# Altium PCB PCB1.PcbDoc (part 1 of 4) (continued)
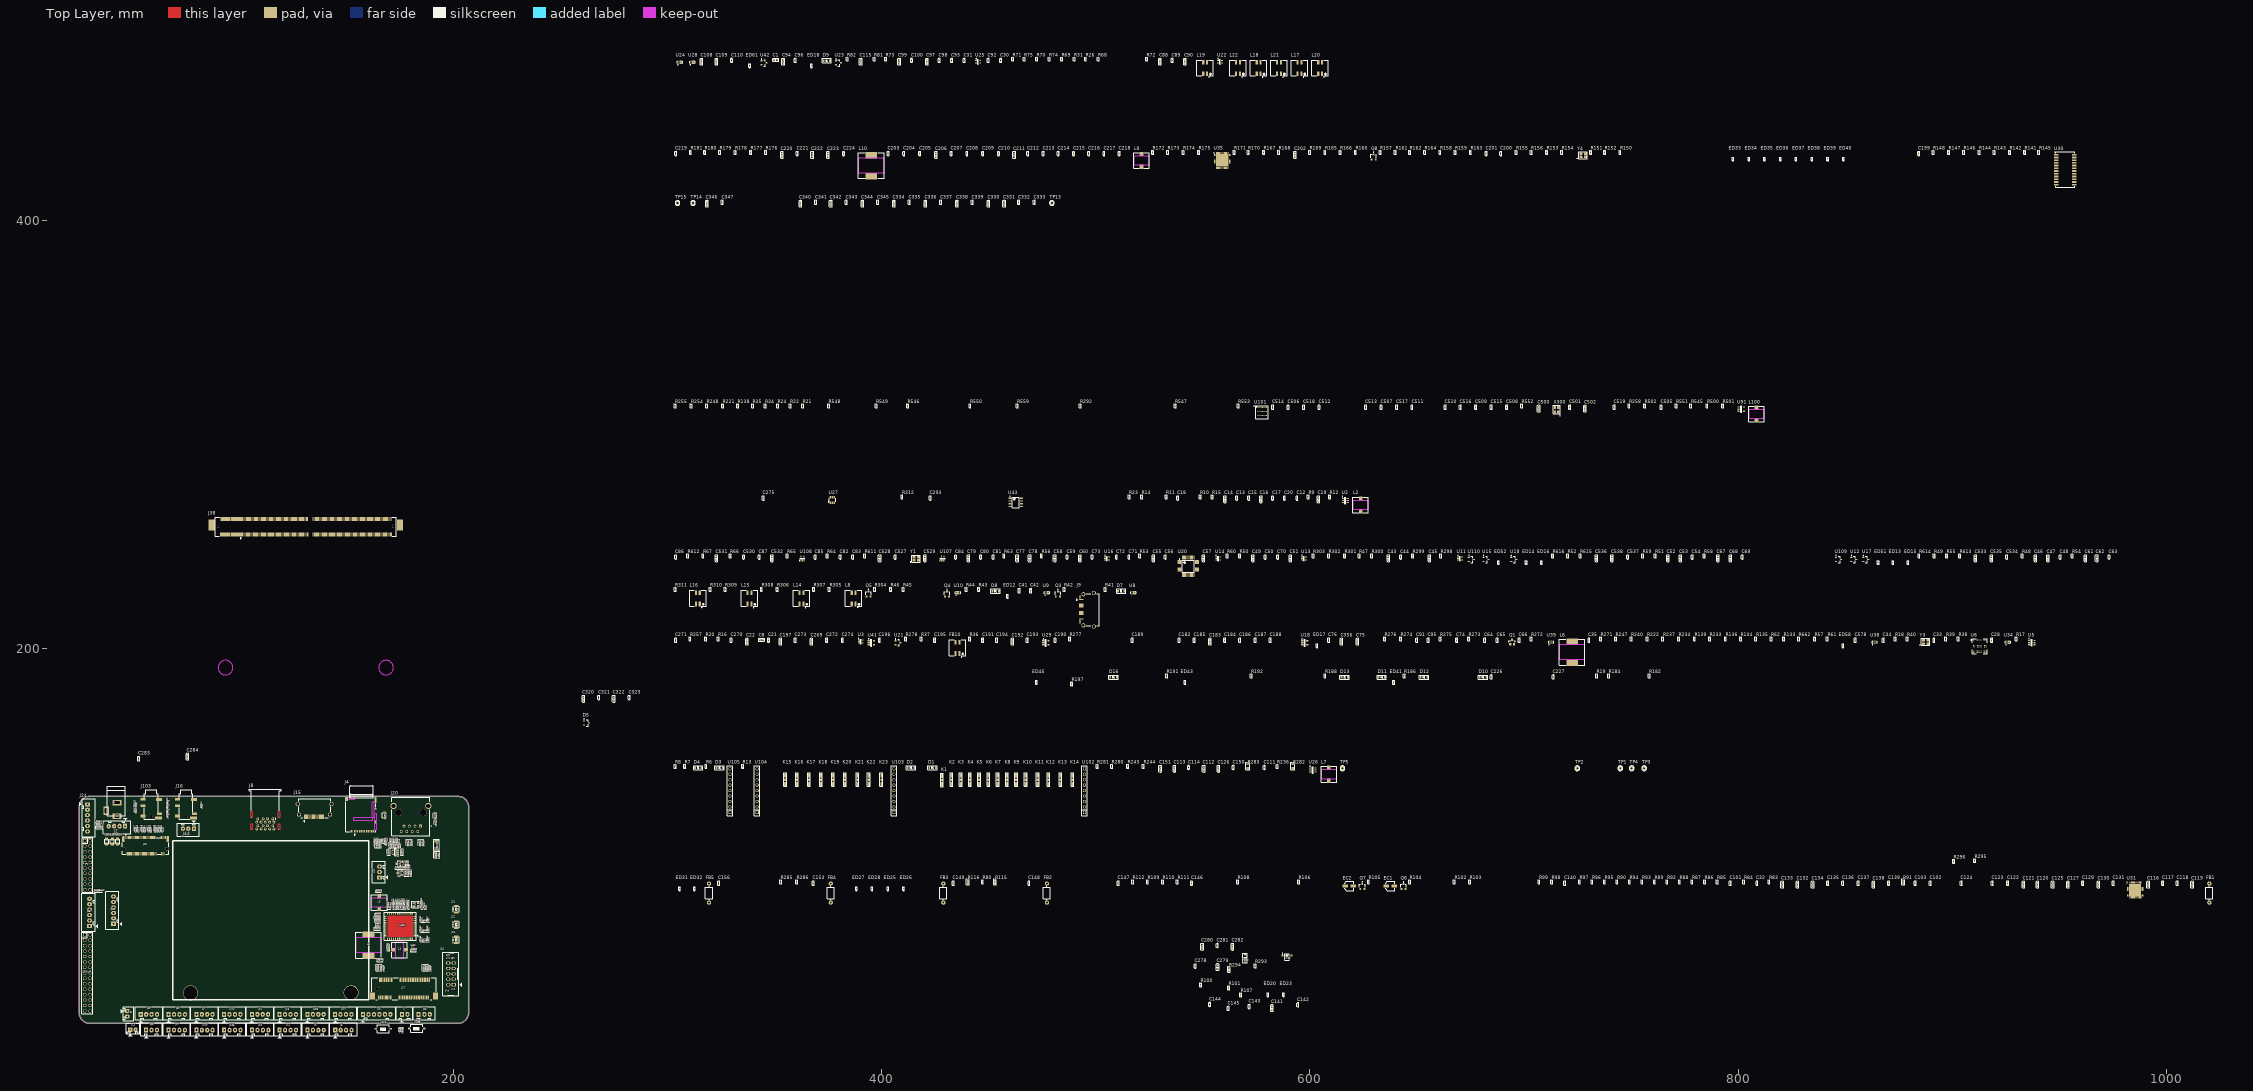
[diagram p0: Top Layer view]
## Components (designator, comment, footprint, x,y, rotation, side; value= is the part's Value field where it differs from the comment) (continued)
C252 "C0402" "C 0402" 55.6,115.5 r90 top
C253 "C0402" "C 0402" 54.5,115.5 r90 top
C254 "C0603" "C 0603" 186,50.9 r90 top
C255 "C0402" "C 0402" 188.8,50.9 r90 top
C256 "C0402" "C 0402" 52.6,115.475 r90 top
C257 "C0402" "C 0402" 51.5,115.5 r90 top
C258 "C0603" "C 0603" 64.9,93.8 r0 bottom
C259 "C0402" "C 0402" 63.3,99.3 r90 bottom
C260 "C0603" "C 0603" 81.4,99.3 r90 bottom
C261 "C0402" "C 0402" 80.1,99.3 r90 bottom
C262 "C0402" "C 0402" 61.1,99.3 r90 bottom
C263 "C0402" "C 0402" 62.2,99.3 r90 bottom
C264 "C0603" "C 0603" 149.7,110.9 r90 bottom
C265 "C0402" "C 0402" 151,110.9 r90 bottom
C266 "C0402" "C 0402" 155.4,110.9 r90 bottom
C267 "C0402" "C 0402" 157.5,110.9 r90 bottom
C268 "C0402" "C 0402" 153.2,110.9 r90 bottom
C269 "C0603" "C 0603" 367.157,203.327 r90 top
C270 "C0402" "C 0402" 329.565,203.962 r90 top
C271 "C0402" "C 0402" 303.784,203.962 r90 top
C272 "C0402" "C 0402" 374.269,203.962 r90 top
C273 "C0402" "C 0402" 359.537,203.962 r90 top
C274 "C0402" "C 0402" 381.635,203.962 r90 top
C275 "C0402" "C 0402" 344.678,270.383 r90 top
C276 "C0603" "C 0603" 192.8,103.7 r270 top
C277 "C0603" "C 0603" 191.3,103.725 r270 top
C278 "C0402" "C 0402" 546.4,51.7 r90 top
C279 "C0603" "C 0603" 556.9,51.3 r90 top
C280 "C0603" "C 0603" 549.681,60.727 r90 top
C281 "C0402" "C 0402" 556.793,61.362 r90 top
C282 "C0603" "C 0603" 563.905,60.727 r90 top
C283 "C0402" "C 0402" 52.9,148.6 r90 top
C284 "C0603" "C 0603" 75.7,149.6 r90 top
C285 "C0402" "C 0402" 155.8,87.5 r90 bottom
C286 "C0603" "C 0603" 164.3,75.9 r180 top
C287 "C0402" "C 0402" 145.1,80 r180 bottom
C288 "C0603" "C 0603" 145.1,81.3 r180 bottom
C289 "C0603" "C 0603" 165.5,54.5 r180 top
C290 "C0603" "C 0603" 189.6,38.2 r270 bottom
C291 "C0603" "C 0603" 187.5,50.9 r90 top
C292 "C0603" "C 0603" 164.2,50.9 r90 top
C293 "C0402" "C 0402" 422.656,270.383 r90 top
C311 "C0402" "C 0402" 142,80 r0 bottom
C312 "C0402" "C 0402" 99.5,81.3 r90 bottom
C313 "C0603" "C 0603" 101.5,84.8 r90 bottom
C315 "C0603" "C 0603" 99.8,84.8 r90 bottom
C316 "C0402" "C 0402" 100.7,81.3 r90 bottom
C318 "C0603" "C 0603" 103.2,84.8 r90 bottom
C319 "C0402" "C 0402" 103.5,81.3 r90 bottom
C320 "C0603" "C 0603" 260.576,176.54 r90 top
C321 "C0402" "C 0402" 267.815,177.175 r90 top
C322 "C0603" "C 0603" 274.8,176.54 r90 top
C323 "C0402" "C 0402" 282.039,177.175 r90 top
C324 "C0603" "C 0603" 48.5,75.3 r90 bottom
C325 "C0402" "C 0402" 54.3,75.3 r90 bottom
C326 "C0603" "C 0603" 47,75.3 r90 bottom
C327 "C0402" "C 0402" 45.7,75.3 r90 bottom
C328 "C0603" "C 0603" 34.325,116.5 r180 top
C329 "C0402" "C 0402" 33.925,117.8 r180 top
C330 "C0603" "C 0603" 449.834,407.924 r90 top
C331 "C0603" "C 0603" 457.2,407.924 r90 top
C332 "C0402" "C 0402" 463.931,408.559 r90 top
C333 "C0402" "C 0402" 471.297,408.559 r90 top
C334 "C0603" "C 0603" 405.638,407.924 r90 top
C335 "C0402" "C 0402" 412.877,408.559 r90 top
C336 "C0603" "C 0603" 420.37,407.924 r90 top
C337 "C0402" "C 0402" 427.609,408.559 r90 top
C338 "C0603" "C 0603" 435.102,407.924 r90 top
C339 "C0402" "C 0402" 442.341,408.559 r90 top
C340 "C0603" "C 0603" 361.95,407.924 r90 top
C341 "C0402" "C 0402" 369.189,408.559 r90 top
C342 "C0603" "C 0603" 376.174,407.924 r90 top
C343 "C0402" "C 0402" 383.413,408.559 r90 top
C344 "C0603" "C 0603" 390.906,407.924 r90 top
C345 "C0402" "C 0402" 398.145,408.559 r90 top
C346 "C0603" "C 0603" 318.262,407.924 r90 top
C347 "C0402" "C 0402" 325.501,408.559 r90 top
C350 "C0603" "C 0603" 128.4,86.9 r90 bottom
C351 "C0402" "C 0402" 128.6,89.6 r90 bottom
C352 "C0603" "C 0603" 129.9,86.9 r270 bottom
C353 "C0402" "C 0402" 129.8,89.6 r90 bottom
C354 "C0603" "C 0603" 49.3,99.867 r180 bottom
C355 "C0603" "C 0603" 53,75.3 r270 bottom
C356 "C0603" "C 0603" 614.807,203.327 r90 top
C357 "C0402" "C 0402" 131.3,38.3 r270 bottom
C358 "C0603" "C 0603" 146.4,45.9 r0 bottom
C359 "C0603" "C 0603" 146.4,44.3 r0 bottom
C360 "C0402" "C 0402" 134.9,40.4 r270 bottom
C361 "C0402" "C 0402" 132.5,40.4 r270 bottom
C362 "C0402" "C 0402" 146.475,47.3 r0 bottom
C363 "C0402" "C 0402" 133.9,47.9 r0 bottom
C364 "C0603" "C 0603" 130.9,47.5 r0 bottom
C500 "C0603" "C 0603" 706.882,312.166 r90 top
C501 "C0402" "C 0402" 721.36,312.801 r90 top
C502 "C0603" "C 0603" 728.472,312.166 r90 top
C503 "C0402" "C 0402" 35.1,37.825 r90 bottom
C504 "C0402" "C 0402" 34,37.8 r90 bottom
C505 "C0402" "C 0402" 764.032,312.801 r90 top
C506 "C0402" "C 0402" 589.788,312.801 r90 top
C507 "C0402" "C 0402" 633.222,312.801 r90 top
C508 "C0402" "C 0402" 691.896,312.801 r90 top
C509 "C0402" "C 0402" 677.418,312.801 r90 top
C510 "C0402" "C 0402" 663.194,312.801 r90 top
C511 "C0402" "C 0402" 647.7,312.801 r90 top
C512 "C0402" "C 0402" 604.266,312.801 r90 top
C513 "C0402" "C 0402" 626.11,312.801 r90 top
C514 "C0402" "C 0402" 582.676,312.801 r90 top
C515 "C0402" "C 0402" 684.784,312.801 r90 top
C516 "C0402" "C 0402" 670.306,312.801 r90 top
C517 "C0402" "C 0402" 640.588,312.801 r90 top
C518 "C0402" "C 0402" 597.154,312.801 r90 top
C519 "C0402" "C 0402" 742.188,312.801 r90 top
C527 "C0402" "C 0402" 406.273,242.824 r90 top
C528 "C0603" "C 0603" 399.034,242.189 r90 top
C529 "C0603" "C 0603" 420.116,242.189 r90 top
C530 "C0402" "C 0402" 335.407,242.824 r90 top
C531 "C0603" "C 0603" 322.834,242.189 r90 top
C532 "C0603" "C 0603" 348.742,242.189 r90 top
C533 "C0603" "C 0603" 910.971,242.189 r90 top
C534 "C0402" "C 0402" 925.576,242.824 r90 top
C535 "C0603" "C 0603" 918.337,242.189 r90 top
C536 "C0603" "C 0603" 733.806,242.189 r90 top
C537 "C0402" "C 0402" 748.411,242.824 r90 top
C538 "C0603" "C 0603" 741.172,242.189 r90 top
C572 "C0402" "C 0402" 153.975,47.3 r0 bottom
C573 "C0603" "C 0603" 161.9,54.4 r180 bottom
C574 "C0402" "C 0402" 161.9,55.8 r180 bottom
C577 "C0402" "C 0402" 158.2,52.8 r180 bottom
C578 "C0402" "C 0402" 854.71,203.962 r90 top
C580 "C0402" "C 0402" 148.675,59.2 r0 bottom
C581 "C0402" "C 0402" 154.1,52.8 r0 bottom
C585 "C0402" "C 0402" 148.675,56.1 r0 bottom
C586 "C0402" "C 0402" 148.675,60.3 r0 bottom
CON40 "15pX2pX2.0mm" JP15-D2T 28.87,48.58 r270 top
D1 "Diode SMD" DIO-SMD-123 423.672,144.399 r0 top
D2 "Diode SMD" DIO-SMD-123 413.639,144.399 r0 top
D3 "Diode SMD" DIO-SMD-123 324.231,144.399 r0 top
D4 "Diode SMD" DIO-SMD-123 314.198,144.399 r0 top
D5 "BAT54C" INF-SOT23_N 262.05,165.3 r0 top
D6 "BZT52C3V3" DIO-SMD-123 191.5,43.5 r0 bottom
D7 "Diode SMD" DIO-SMD-123 511.81,226.949 r0 top
D8 "Diode SMD" DIO-SMD-123 453.136,226.949 r0 top
D9 "Diode SMD" DIO-SMD-123 374.269,474.726 r0 top
D10 "Diode SMD" DIO-SMD-123 680.847,186.69 r0 top
D11 "Diode SMD" DIO-SMD-123 633.603,186.69 r0 top
D12 "Diode SMD" DIO-SMD-123 653.288,186.69 r0 top
D13 "Diode SMD" DIO-SMD-123 616.204,186.69 r0 top
D14 "Diode SMD" DIO-SMD-123 171.2,40.1 r180 bottom
D15 "Diode SMD" DIO-SMD-123 153.2,89.7 r0 bottom
D16 "Diode SMD" DIO-SMD-123 508.254,186.69 r0 top
D20 "Diode SMD" DIO-SMD-123 191.5,46.2 r0 bottom
D22 "Diode SMD" DIO-SMD-123 569.7,55.5 r270 top
EC1 "CN-ALU-SMD" CAP-ALU-SMD-4.5x5x1.4 637.54,89.154 r0 top
EC2 "CN-ALU-SMD" CAP-ALU-SMD-4.5x5x1.4 618.363,89.154 r0 top
ED1 "ESD9N12BA" DFN1006-2L 49.5,104 r0 bottom
ED2 "NC/ESD5451N" DFN1006-2L 34.5,35.3 r180 bottom
ED3 "ESD9X5VU" DFN1006-2L 174.1,109.9 r270 top
ED4 "ESD9X5VU" DFN1006-2L 172.983,109.9 r270 top
ED5 "ESD9X5VU" DFN1006-2L 171.867,109.9 r270 top
ED6 "ESD9X5VU" DFN1006-2L 170.75,109.9 r270 top
ED7 "ESD9X5VU" DFN1006-2L 165.833,109.9 r270 top
ED8 "ESD9X5VU" DFN1006-2L 164.717,109.9 r270 top
ED9 "ESD9X5VU" DFN1006-2L 163.6,109.9 r270 top
ED10 "NC/ESD5451R" DFN1006-2L 163.4,36.825 r90 bottom
ED11 "NC/ESD5451R" DFN1006-2L 162.3,36.825 r90 bottom
ED12 "ESD5451N" DFN1006-2L 458.724,224.663 r90 top
ED13 "NC/ESD5451N" DFN1006-2L 872.363,240.411 r90 top
ED14 "NC/ESD5451N" DFN1006-2L 701.04,240.411 r90 top
ED15 "NC/ESD5451N" DFN1006-2L 879.475,240.411 r90 top
ED16 "NC/ESD5451N" DFN1006-2L 708.152,240.411 r90 top
ED17 "ESD5451N" DFN1006-2L 603.377,201.549 r90 top
ED18 "NC/ESD5451N" DFN1006-2L 367.157,472.44 r90 top
ED19 "ESD5451N" DFN1006-2L 66.6,121.875 r270 top
ED20 "NC/ESD5451N" DFN1006-2L 580.366,38.511 r90 top
ED21 "ESD5451N" DFN1006-2L 66.6,126.025 r270 top
ED22 "ESD5451N" DFN1006-2L 66.6,128.1 r270 top
ED23 "NC/ESD5451N" DFN1006-2L 587.732,38.511 r90 top
ED24 "ESD5451N" DFN1006-2L 82.4,126.5 r90 top
ED25 "NC/ESD5451N" DFN1006-2L 402.844,88.011 r90 top
ED26 "NC/ESD5451N" DFN1006-2L 410.21,88.011 r90 top
ED27 "NC/ESD5451N" DFN1006-2L 388.112,88.011 r90 top
ED28 "NC/ESD5451N" DFN1006-2L 395.478,88.011 r90 top
ED29 "ESD5451N" DFN1006-2L 66.6,123.95 r270 top
ED30 "ESD5451N" DFN1006-2L 51.5,126.975 r270 top
ED31 "NC/ESD5451N" DFN1006-2L 305.562,88.011 r90 top
ED32 "NC/ESD5451N" DFN1006-2L 312.42,88.011 r90 top
ED33 "ESD9X5VU" DFN1006-2L 797.687,428.879 r90 top
ED34 "ESD9X5VU" DFN1006-2L 805.053,428.879 r90 top
ED35 "ESD9X5VU" DFN1006-2L 812.419,428.879 r90 top
ED36 "ESD9X5VU" DFN1006-2L 819.785,428.879 r90 top
ED37 "ESD9X5VU" DFN1006-2L 827.151,428.879 r90 top
ED38 "ESD9X5VU" DFN1006-2L 834.517,428.879 r90 top
ED39 "ESD9X5VU" DFN1006-2L 841.883,428.879 r90 top
ED40 "ESD9X5VU" DFN1006-2L 849.249,428.879 r90 top
ED41 "NC/ESD9N12BA" DFN1006-2L 639.191,184.404 r90 top
ED42 "ESD5451N" DFN1006-2L 174.8,22.1 r270 top
ED43 "NC/ESD9N12BA" DFN1006-2L 541.655,184.404 r90 top
ED44 "ESD5451N" DFN1006-2L 175.9,22.1 r270 top
ED45 "ESD5451N" DFN1006-2L 472.186,184.404 r90 top
ED46 "ESD5451N" DFN1006-2L 191.7,38.325 r90 bottom
ED47 "ESD5451N" DFN1006-2L 190.8,38.325 r90 bottom
ED48 "ESD5451N" DFN1006-2L 154.3,110.9 r270 bottom
ED49 "ESD5451N" DFN1006-2L 156.4,110.9 r270 bottom
ED50 "ESD5451N" DFN1006-2L 152.1,110.9 r270 bottom
ED51 "NC/ESD5451N" DFN1006-2L 865.505,240.411 r90 top
ED52 "NC/ESD5451N" DFN1006-2L 688.086,240.411 r90 top
ED53 "NC/ESD5451R" DFN1006-2L 142.4,38.425 r90 bottom
ED54 "NC/ESD5451R" DFN1006-2L 143.4,38.425 r90 bottom
ED55 "NC/ESD5451R" DFN1006-2L 145.4,38.425 r90 bottom
ED56 "NC/ESD5451R" DFN1006-2L 160.1,36.825 r90 bottom
ED57 "NC/ESD5451R" DFN1006-2L 161.2,36.825 r90 bottom
ED58 "ESD5451N" DFN1006-2L 848.995,201.549 r90 top
ED59 "NC/ESD5451R" DFN1006-2L 144.4,38.425 r90 bottom
ED60 "NC/ESD5451R" DFN1006-2L 141.4,38.425 r90 bottom
ED61 "ESD5451N" DFN1006-2L 338.328,472.44 r90 top
ED62 "ESD5451N" DFN1006-2L 51.5,124.4 r90 top
F1 "mSMD300" MSMD300/3A 54,100 r90 bottom
FB1 "R0603" L/0.4 1020.191,81.407 r90 top
FB2 "L0603" L/0.4 477.139,81.407 r90 top
FB3 "L0603" L/0.4 428.752,81.407 r90 top
FB4 "L0603" L/0.4 376.174,81.407 r90 top
FB5 "L0603" L/0.4 319.278,81.407 r90 top
FB10 "RP2_0405" L-SMD-D-7.3x7.3 435.356,200.406 r0 top
J1 "Jac DC" DC-IN 40.16,124.925 r270 top
J2 "CON4" CON4 46.48,117.1 r180 top
J3 "CON-2PIN-1D25" Header2 47.5,30.74 r270 top
J4 "TF-CKT01-009D" *HRS_DM3AT-SF-PEJM5_DM3AT-SF-PEJM5(Primary) 157,114.7 r180 top
J5 "CON4" CON4 144.68,21.8 r0 top
J6 "CON4" CON4 131.68,21.8 r0 top
J7 "CON2_2D0" CON2 175.8,29.2 r0 top
J8 "USB3D0_AF_9P" *GCT_USB1100-XX-X_REVC 112,119 r180 top
J9 "HDMI_A" *AMPHENOL_10029449-001RLF_10029449-001RLF(Primary) 494.157,218.186 r90 top
J10 "CON4" CON4 105.78,21.8 r0 top
J11 "CON4" CON4 105.72,29.2 r0 top
J12 "CON4" CON4 118.72,21.8 r0 top
J13 "CON4" CON4 118.68,29.2 r0 top
J14 "CON2_2D0" Header2 48.9,22 r0 top
J15 "NC/HDMI_A_90" *AMPHENOL_10029449-001RLF_10029449-001RLF(Primary) 135,122.5 r180 top
J16 "PJ-342B" *SUNTECH_ST-PJ-312_ST-PJ-312(Primary) 75,126.6 r90 top
J17 "CON4" CON4 66.78,21.8 r0 top
J18 "CON6_20" Header6 157.68,29.2 r0 top
J19 "FPC_24PIN_0D5" FPC-24Pin 139.75,104.875 r180 bottom
J20 "RJ45S" RJ45 180,123.5 r180 top
J21 "818000071" CONN/IPX/SMD 201.2,78.3 r270 top
J22 "818000071" CONN/IPX/SMD 201.2,71.15 r270 top
J23 "818000071" CONN/IPX/SMD 201.2,64 r270 top
J24 "CON6_20" Header6 28.9,127.32 r270 top
J25 "CON-3PIN-1D25" CON3 165.4,93.16 r90 top
J26 "CON-3PIN-2D54" CON3 183.76,29.2 r0 top
J27 "MINI_PCIE_52P_5H" MINI_PCIE_52PIN 176.8,41.2 r0 top
J28 "M.2_NGFF_M_KEY" *CONN_1-2199230-5_1-2199230-5(Primary) 56.05,106.525 r0 top
J29 "78646-3001" *CONN_78646-3001_78646-3001(Primary) 157.3,123 r90 bottom
J32 "FPC_24PIN_0D5" FPC-24Pin 138.35,74.075 r180 bottom
J33 "NC/FPC-30PIN-0D5" FPC-30pin 108.5,74.8 r180 bottom
J34 "CON-2X5PIN-2D0" Hed2X5 200,43.02 r90 top
J38 "CORE_RK3399" *FOX_AS0B821-S78B-7H_AS0B821-S78B-7H(Primary) 132.9,257.15 r0 top
J41 "CON4" CON4 66.82,29.2 r0 top
J42 "CON4" CON4 53.82,29.2 r0 top
J43 "CON-3PIN-2D0" CON3 56.32,21.8 r0 top
J44 "CON4" Header3 78.54,115.9 r180 top
J45 "CON6_20" Header6 29.9,70.48 r90 top
J47 "CON4" CON4 79.78,29.2 r0 top
J101 "CON6_254" Header6 41.1,71.52 r90 top
J103 "PJ-342B" *SUNTECH_ST-PJ-312_ST-PJ-312(Primary) 58.7,126.6 r90 top
J104 "CON4" CON4 92.72,29.2 r0 top
J105 "CON4" CON4 92.78,21.8 r0 top
J107 "CON4" CON4 144.6,29.2 r0 top
J108 "CON4" CON4 131.66,29.2 r0 top
J109 "CON4" CON4 79.78,21.8 r0 top
JP1 "10PINX2-2.0mm" JP10-D2T 28.929,98.881 r270 top
K1 "NC/TEST" KTest 428.1,138.7 r90 top
K2 "NC/TEST" KTest 432.562,138.811 r90 top
K3 "NC/TEST" KTest 436.88,138.811 r90 top
K4 "NC/TEST" KTest 441.198,138.811 r90 top
K5 "NC/TEST" KTest 445.516,138.811 r90 top
K6 "NC/TEST" KTest 449.834,138.811 r90 top
K7 "NC/TEST" KTest 454.152,138.811 r90 top
K8 "NC/TEST" KTest 458.47,138.811 r90 top
K9 "NC/TEST" KTest 462.788,138.811 r90 top
K10 "NC/TEST" KTest 467.233,138.811 r90 top
K11 "NC/TEST" KTest 472.821,138.811 r90 top
K12 "NC/TEST" KTest 477.901,138.811 r90 top
K13 "NC/TEST" KTest 483.489,138.811 r90 top
K14 "NC/TEST" KTest 489.077,138.811 r90 top
K15 "NC/TEST" KTest 354.838,138.811 r90 top
K16 "NC/TEST" KTest 360.426,138.811 r90 top
K17 "NC/TEST" KTest 366.014,138.811 r90 top
K18 "NC/TEST" KTest 371.602,138.811 r90 top
K19 "NC/TEST" KTest 377.19,138.811 r90 top
K20 "NC/TEST" KTest 382.778,138.811 r90 top
K21 "NC/TEST" KTest 388.62,138.811 r90 top
K22 "NC/TEST" KTest 393.954,138.811 r90 top
K23 "NC/TEST" KTest 399.796,138.811 r90 top
KEY5 "ST_1112RA" SW1-SMD 167.1,22.4 r180 top
KEY6 "ST_1112RA" SW1-SMD 182.7,22.6 r0 top
L1 "MWSA0518-4R7MT/4A" L-SMD-M-7.3x4.5 51.3,82.5 r0 bottom
L2 "4.7uH/1A" L-SMD-M-7.3x4.5 623.697,267.208 r0 top
L3 "NC/2.2uH" L-SMD-M-7.3x4.5 174.7,59.3 r90 top
L4 "L0603" L-SMD-M-12x10 160.2,61.5 r0 top
L5 "4.7uH" L-SMD-M-7.3x4.5 165.2,81.4 r0 top
L6 "L0603" L-SMD-M-12x10 722.503,198.374 r0 top
L7 "MWSA0518-4R7MT/4A" L-SMD-M-7.3x4.5 608.838,141.351 r0 top
L8 "RP2_0405" L-SMD-D-7.3x7.3 386.842,223.52 r0 top
L9 "2.2uH/1A" L-SMD-M-7.3x4.5 521.335,428.117 r0 top
L10 "L0603" L-SMD-M-12x10 395.097,425.704 r0 top
L11 "4.7uH/3A" L-SMD-M-7.3x4.5 181.2,46.8 r180 bottom
L12 "4.7uH/3A" L-SMD-M-7.3x4.5 65.6,88.7 r270 bottom
L13 "4.7uH/3A" L-SMD-M-7.3x4.5 139.8,46.5 r270 bottom
L14 "RP2_0405" L-SMD-D-7.3x7.3 362.458,223.52 r0 top
L15 "RP2_0405" L-SMD-D-7.3x7.3 338.201,223.52 r0 top
L16 "RP2_0405" L-SMD-D-7.3x7.3 314.071,223.52 r0 top
L17 "RP2_0405" L-SMD-D-7.3x7.3 595.122,471.297 r0 top
L18 "RP2_0405" L-SMD-D-7.3x7.3 576.072,471.297 r0 top
L19 "RP2_0405" L-SMD-D-7.3x7.3 551.053,471.297 r0 top
L20 "RP2_0405" L-SMD-D-7.3x7.3 604.774,471.297 r0 top
L21 "RP2_0405" L-SMD-D-7.3x7.3 585.597,471.297 r0 top
L22 "RP2_0405" L-SMD-D-7.3x7.3 566.42,471.297 r0 top
L100 "2.2uH-1.5A" L-SMD-M-7.3x4.5 808.609,309.626 r0 top
LED1 "LED SMD" SM-LED-0805-Blue 40.5,108.814 r90 top
LED2 "LED SMD" SM-LED-0805-Green 167.6,123.386 r270 top
LED3 "LED SMD" SM-LED-0805-Green 37.9,108.8 r90 top
LED4 "LED SMD" SM-LED-0805-Blue 43,108.8 r90 top
LED5 "LED SMD" SM-LED-0805-Yellow 191.3,123.086 r270 top
Q1 "8050" *SOT-23 694.436,203.2 r0 top
Q2 "WPM2015-3/TR" *SSOT-3 38,36.1 r270 bottom
Q3 "WNM6001" SOT23 482.219,225.552 r0 top
Q4 "WNM6001" SOT23 430.53,225.552 r0 top
Q5 "WNM6001" SOT23 393.7,225.552 r0 top
Q6 "WNM2016" SOT23 643.636,88.9 r0 top
Q7 "WNM2016" SOT23 624.459,88.9 r0 top
Q8 "WNM2021-3/TR" SOT23 629.793,429.768 r0 top
Q9 "WPM2015-3/TR" *SSOT-3 174.6,99.55 r90 top
Q10 "8050" *SOT-23 174.784,95.211 r90 top
Q12 "8050" *SOT-23 45.3,39.5 r270 bottom
Q13 "8050" *SOT-23 45.284,35.189 r270 bottom
Q14 "8050" *SOT-23 59.3,78.8 r270 bottom
Q15 "8050" *SOT-23 59.3,75.561 r270 bottom
Q16 "WNM2021-3/TR" SOT23 59.237,72.3 r270 bottom
Q17 "WPM2015-3/TR" *SSOT-3 38,39.5 r270 bottom
Q21 "8050" *SOT-23 159.7,50.5 r180 bottom
R1 "R0402" "R 0402" 54.85,91.6 r180 bottom
R2 "R0402" "R 0402" 54.85,92.7 r0 bottom
R3 "R0402" "R 0402" 54.85,90.5 r180 bottom
R4 "R0402" "R 0402" 54.85,89.4 r0 bottom
R5 "R0402" "R 0402" 51.5,93 r180 bottom
R6 "R0402" "R 0402" 317.881,145.161 r90 top
R7 "R0402" "R 0402" 307.848,145.161 r90 top
R8 "R0402" "R 0402" 303.53,145.161 r90 top
R9 "R0402" "R 0402" 599.313,271.018 r90 top
R10 "R0402" "R 0402" 548.767,271.018 r90 top
R11 "R0402" "R 0402" 532.892,271.018 r90 top
R12 "R0402" "R 0402" 609.219,271.018 r90 top
R13 "R0402" "R 0402" 335.026,145.161 r90 top
R14 "R0402" "R 0402" 521.462,271.018 r90 top
R15 "R0402" "R 0402" 554.355,271.018 r90 top
R16 "R0402" "R 0402" 323.596,204.597 r90 top
R17 "R0402" "R 0402" 929.894,204.597 r90 top
R18 "R0402" "R 0402" 873.506,204.597 r90 top
R19 "R0402" "R 0402" 734.06,187.452 r90 top
R20 "R0402" "R 0402" 317.754,204.597 r90 top
R21 "R0402" "R 0402" 363.093,313.436 r90 top
R22 "R0402" "R 0402" 357.251,313.436 r90 top
R23 "R0402" "R 0402" 515.62,271.018 r90 top
R24 "R0402" "R 0402" 351.409,313.436 r90 top
R25 "R0402" "R 0402" 174.8,108 r90 top
R26 "R0402" "R 0402" 495.173,475.488 r90 top
R27 "R0402" "R 0402" 163.6,108 r90 top
R28 "R0402" "R 0402" 165.8,108 r90 top
R29 "R0402" "R 0402" 170.4,108 r90 top
R30 "R0402" "R 0402" 164.7,108 r90 top
R31 "R0402" "R 0402" 489.839,475.488 r90 top
R32 "R0402" "R 0402" 171.5,108 r90 top
R33 "R0402" "R 0402" 173.7,108 r90 top
R34 "R0402" "R 0402" 345.567,313.436 r90 top
R35 "R0402" "R 0402" 339.725,313.436 r90 top
R36 "R0402" "R 0402" 441.071,204.597 r90 top
R37 "R0402" "R 0402" 418.465,204.597 r90 top
R38 "R0402" "R 0402" 902.97,204.597 r90 top
R39 "R0402" "R 0402" 897.128,204.597 r90 top
R40 "R0402" "R 0402" 879.094,204.597 r90 top
R41 "R0402" "R 0402" 504.444,227.711 r90 top
R42 "R0402" "R 0402" 485.267,227.711 r90 top
R43 "R0402" "R 0402" 445.262,227.711 r90 top
R44 "R0402" "R 0402" 439.42,227.711 r90 top
R45 "R0402" "R 0402" 409.956,227.711 r90 top
R46 "R0402" "R 0402" 404.114,227.711 r90 top
R47 "R0402" "R 0402" 623.062,243.459 r90 top
R48 "R0402" "R 0402" 932.688,243.459 r90 top
R49 "R0402" "R 0402" 891.667,243.459 r90 top
R50 "R0402" "R 0402" 567.182,243.459 r90 top
R51 "R0402" "R 0402" 761.365,243.459 r90 top
R52 "R0402" "R 0402" 720.471,243.459 r90 top
R53 "R0402" "R 0402" 520.573,243.459 r90 top
R54 "R0402" "R 0402" 956.056,243.459 r90 top
R55 "R0402" "R 0402" 897.509,243.459 r90 top
R56 "R0402" "R 0402" 474.599,243.459 r90 top
R57 "R0402" "R 0402" 835.787,204.597 r90 top
R58 "R0402" "R 0402" 784.225,243.459 r90 top
R59 "R0402" "R 0402" 755.523,243.459 r90 top
R60 "R0402" "R 0402" 561.34,243.459 r90 top
R61 "R0402" "R 0402" 841.756,204.597 r90 top
R62 "R0402" "R 0402" 815.467,204.597 r90 top
R63 "R0402" "R 0402" 457.073,243.459 r90 top
R64 "R0402" "R 0402" 374.523,243.459 r90 top
R65 "R0402" "R 0402" 355.727,243.459 r90 top
R66 "R0402" "R 0402" 329.184,243.459 r90 top
R67 "R0402" "R 0402" 316.484,243.459 r90 top
R68 "R0402" "R 0402" 501.015,475.488 r90 top
R69 "R0402" "R 0402" 483.997,475.488 r90 top
R70 "R0402" "R 0402" 472.313,475.488 r90 top
R71 "R0402" "R 0402" 461.137,475.488 r90 top
R72 "R0402" "R 0402" 523.748,475.488 r90 top
R73 "R0402" "R 0402" 401.828,475.488 r90 top
R74 "R0402" "R 0402" 478.155,475.488 r90 top
R75 "R0402" "R 0402" 466.471,475.488 r90 top
R76 "R0402" "R 0402" 148.675,62.5 r0 bottom
R77 "R0402" "R 0402" 148.675,63.6 r0 bottom
R78 "R0402" "R 0402" 161.9,56.9 r180 bottom
R79 "R0402" "R 0402" 161.9,58 r180 bottom
R80 "R0402" "R 0402" 447.04,91.059 r90 top
R81 "R0402" "R 0402" 396.494,475.488 r90 top
R82 "R0402" "R 0402" 383.794,475.488 r90 top
R83 "R0402" "R 0402" 814.451,91.059 r90 top
R84 "R0402" "R 0402" 802.767,91.059 r90 top
R85 "R0402" "R 0402" 790.194,91.059 r90 top
R86 "R0402" "R 0402" 784.352,91.059 r90 top
R87 "R0402" "R 0402" 778.51,91.059 r90 top
R88 "R0402" "R 0402" 772.668,91.059 r90 top
R89 "R0402" "R 0402" 760.984,91.059 r90 top
R90 "R0402" "R 0402" 743.458,91.059 r90 top
R91 "R0603" "R 0603" 877.189,91.059 r90 top
R92 "R0402" "R 0402" 766.826,91.059 r90 top
R93 "R0402" "R 0402" 755.142,91.059 r90 top
R94 "R0402" "R 0402" 749.3,91.059 r90 top
R95 "R0402" "R 0402" 737.616,91.059 r90 top
R96 "R0402" "R 0402" 731.774,91.059 r90 top
R97 "R0402" "R 0402" 725.932,91.059 r90 top
R98 "R0402" "R 0402" 712.978,91.059 r90 top
R99 "R0402" "R 0402" 707.009,91.059 r90 top
R100 "R0402" "R 0402" 548.9,43 r90 top
R101 "R0402" "R 0402" 562,41.6 r90 top
R102 "R0402" "R 0402" 667.512,91.059 r90 top
R103 "R0402" "R 0402" 674.624,91.059 r90 top
R104 "R0402" "R 0402" 646.557,91.059 r90 top
R105 "R0402" "R 0402" 627.38,91.059 r90 top
R106 "R0402" "R 0402" 594.741,91.059 r90 top
R107 "R0402" "R 0402" 567.6,38.3 r90 top
R108 "R0402" "R 0402" 566.293,91.059 r90 top
R109 "R0402" "R 0402" 524.129,91.059 r90 top
R110 "R0402" "R 0402" 531.241,91.059 r90 top
R111 "R0402" "R 0402" 538.099,91.059 r90 top
R112 "R0402" "R 0402" 517.271,91.059 r90 top
R113 "R0402" "R 0402" 41.2,36.025 r90 bottom
R114 "R0402" "R 0402" 41.2,40.2 r90 bottom
R115 "R0603" "R 0603" 452.882,91.059 r90 top
R116 "R0603" "R 0603" 440.182,91.059 r90 top
R117 "R0402" "R 0402" 170.8,37.8 r90 bottom
R118 "R0402" "R 0402" 186.7,79.275 r270 top
R119 "R0402" "R 0402" 185.2,79.275 r270 top
R120 "R0402" "R 0402" 178.9,79.275 r270 top
R121 "R0603" "R 0603" 164.3,74.4 r180 top
R122 "R0402" "R 0402" 173,81.275 r90 top
R123 "R0402" "R 0402" 171.9,81.275 r90 top
R124 "R0402" "R 0402" 174.1,81.275 r90 top
R125 "R0402" "R 0402" 151.4,87.5 r270 bottom
R126 "R0402" "R 0402" 175.2,81.275 r90 top
R127 "R0402" "R 0402" 152.5,87.5 r270 bottom
R128 "R0402" "R 0402" 154.7,87.5 r270 bottom
R129 "R0402" "R 0402" 177.4,81.275 r90 top
R130 "R0402" "R 0402" 153.6,87.5 r270 bottom
R131 "R0402" "R 0402" 176.3,81.275 r90 top
R132 "R0402" "R 0402" 156.9,87.5 r270 bottom
R133 "R0402" "R 0402" 821.309,204.597 r90 top
R134 "R0402" "R 0402" 801.243,204.597 r90 top
R135 "R0402" "R 0402" 808.355,204.597 r90 top
R136 "R0402" "R 0402" 794.131,204.597 r90 top
R137 "R0402" "R 0402" 162.3,49.6 r90 bottom
R138 "R0402" "R 0402" 332.613,313.436 r90 top
R139 "R0402" "R 0402" 779.653,204.597 r90 top
R140 "R0402" "R 0402" 162.3,51.8 r90 bottom
R141 "R0402" "R 0402" 933.958,431.927 r90 top
R142 "R0402" "R 0402" 926.846,431.927 r90 top
R143 "R0402" "R 0402" 919.734,431.927 r90 top
R144 "R0402" "R 0402" 912.622,431.927 r90 top
R145 "R0402" "R 0402" 940.562,431.927 r90 top
R146 "R0402" "R 0402" 905.51,431.927 r90 top
R147 "R0402" "R 0402" 898.398,431.927 r90 top
R148 "R0402" "R 0402" 891.159,431.927 r90 top
R149 "R0402" "R 0402" 191.3,118.9 r90 top
R150 "R0402" "R 0402" 744.855,431.927 r90 top
R151 "R0402" "R 0402" 731.139,431.927 r90 top
R152 "R0402" "R 0402" 737.743,431.927 r90 top
R153 "R0402" "R 0402" 710.565,431.927 r90 top
R154 "R0402" "R 0402" 717.677,431.927 r90 top
R155 "R0402" "R 0402" 696.341,431.927 r90 top
R156 "R0402" "R 0402" 703.453,431.927 r90 top
R157 "R0402" "R 0402" 632.841,431.927 r90 top
R158 "R0402" "R 0402" 660.781,431.927 r90 top
R159 "R0402" "R 0402" 667.893,431.927 r90 top
R160 "R0402" "R 0402" 621.284,431.927 r90 top
R161 "R0402" "R 0402" 639.953,431.927 r90 top
R162 "R0402" "R 0402" 646.557,431.927 r90 top
R163 "R0402" "R 0402" 675.005,431.927 r90 top
R164 "R0402" "R 0402" 653.669,431.927 r90 top
R165 "R0402" "R 0402" 607.06,431.927 r90 top
R166 "R0402" "R 0402" 614.172,431.927 r90 top
R167 "R0402" "R 0402" 578.358,431.927 r90 top
R168 "R0402" "R 0402" 585.47,431.927 r90 top
R169 "R0402" "R 0402" 599.948,431.927 r90 top
R170 "R0402" "R 0402" 571.246,431.927 r90 top
R171 "R0402" "R 0402" 564.642,431.927 r90 top
R172 "R0402" "R 0402" 526.542,431.927 r90 top
R173 "R0402" "R 0402" 533.654,431.927 r90 top
R174 "R0402" "R 0402" 540.766,431.927 r90 top
R175 "R0402" "R 0402" 548.005,431.927 r90 top
R176 "R0402" "R 0402" 345.821,431.927 r90 top
R177 "R0402" "R 0402" 338.709,431.927 r90 top
R178 "R0402" "R 0402" 331.597,431.927 r90 top
R179 "R0402" "R 0402" 324.358,431.927 r90 top
R180 "R0402" "R 0402" 317.246,431.927 r90 top
R181 "R0402" "R 0402" 310.642,431.927 r90 top
R182 "R0402" "R 0402" 758.571,187.452 r90 top
R183 "R0402" "R 0402" 177.3,100.1 r90 top
R184 "R0402" "R 0402" 739.648,187.452 r90 top
R185 "R0402" "R 0402" 177.9,98.5 r0 top
R186 "R0402" "R 0402" 644.144,187.452 r90 top
R187 "R0402" "R 0402" 173.625,97.4 r180 top
R188 "R0402" "R 0402" 607.06,187.452 r90 top
R189 "R0402" "R 0402" 177.9,95.2 r180 top
R190 "R0402" "R 0402" 177.9,96.3 r180 top
R191 "R0402" "R 0402" 533.146,187.452 r90 top
R192 "R0402" "R 0402" 572.643,187.452 r90 top
R193 "R0402" "R 0402" 154.175,91.4 r180 bottom
R194 "R0402" "R 0402" 177.9,94.1 r180 top
R195 "R0402" "R 0402" 175.675,97.4 r180 top
R196 "R0402" "R 0402" 177.9,97.4 r0 top
R197 "R0402" "R 0402" 488.7,183.625 r90 top
R198 "R0402" "R 0402" 188.4,48.9 r180 bottom
R199 "R0402" "R 0402" 174.1,37.8 r90 bottom
R200 "R0402" "R 0402" 42.3,38.1 r90 bottom
R201 "R0402" "R 0402" 41.2,38.125 r90 bottom
R202 "R0402" "R 0402" 48.1,40.3 r90 bottom
R203 "R0402" "R 0402" 49.3,38.175 r90 bottom
R204 "R0402" "R 0402" 188.4,50 r0 bottom
R205 "R0402" "R 0402" 48.1,38.2 r90 bottom
R206 "R0402" "R 0402" 48.1,36.075 r90 bottom
R207 "R0402" "R 0402" 186.4,43.9 r180 bottom
R208 "R0402" "R 0402" 186.4,46.1 r0 bottom
R209 "R0402" "R 0402" 143.7,114.8 r270 bottom
R210 "R0402" "R 0402" 186.4,40.6 r180 bottom
R211 "R0402" "R 0402" 59.4,82.1 r90 bottom
R212 "R0402" "R 0402" 133.7,38.3 r90 bottom
R213 "R0402" "R 0402" 180.9,37.8 r90 bottom
R214 "R0402" "R 0402" 186.4,39.5 r0 bottom
R215 "R0402" "R 0402" 186.4,45 r0 bottom
R216 "R0402" "R 0402" 179.7,37.8 r90 bottom
R217 "R0402" "R 0402" 58.3,84.1 r90 bottom
R218 "R0402" "R 0402" 186.4,38.4 r0 bottom
R219 "R0402" "R 0402" 58.3,82.1 r90 bottom
R220 "R0402" "R 0402" 57.2,84.1 r270 bottom
R221 "R0402" "R 0402" 325.628,313.436 r90 top
R222 "R0402" "R 0402" 757.555,204.597 r90 top
R223 "R0402" "R 0402" 175.525,43.9 r0 bottom
R224 "R0402" "R 0402" 65.5,99.3 r90 bottom
R225 "R0402" "R 0402" 153.2,107.8 r270 bottom
R226 "R0402" "R 0402" 157.6,107.8 r270 bottom
R227 "R0402" "R 0402" 155.4,107.8 r270 bottom
R228 "R0402" "R 0402" 62.875,79.6 r0 bottom
R229 "R0402" "R 0402" 60,99.3 r90 bottom
R230 "R0402" "R 0402" 62.875,77.4 r0 bottom
R231 "R0402" "R 0402" 62.875,78.5 r0 bottom
R232 "R0402" "R 0402" 62.875,76.3 r0 bottom
R233 "R0402" "R 0402" 786.765,204.597 r90 top
R234 "R0402" "R 0402" 772.287,204.597 r90 top
R235 "R0402" "R 0402" 171.9,37.8 r90 bottom
R236 "R0402" "R 0402" 584.708,145.161 r90 top
R237 "R0402" "R 0402" 764.921,204.597 r90 top
R238 "R0402" "R 0402" 151.7,50.4 r90 bottom
R239 "R0402" "R 0402" 142.075,81.3 r180 bottom
R240 "R0402" "R 0402" 750.189,204.597 r90 top
R241 "R0402" "R 0402" 101.9,81.35 r90 bottom
R242 "R0402" "R 0402" 150.5,50.4 r90 bottom
R243 "R0402" "R 0402" 514.858,145.161 r90 top
R244 "R0402" "R 0402" 522.224,145.161 r90 top
R245 "R0402" "R 0402" 105.9,81.35 r90 bottom
R246 "R0402" "R 0402" 104.7,81.35 r90 bottom
R247 "R0402" "R 0402" 742.823,204.597 r90 top
R248 "R0402" "R 0402" 318.262,313.436 r90 top
R249 "R0402" "R 0402" 186.4,42.8 r180 bottom
R250 "R0402" "R 0402" 34.999,86.631 r180 top
R251 "R0402" "R 0402" 62.875,72.7 r180 bottom
R252 "R0402" "R 0402" 33.925,118.9 r0 top
R253 "R0402" "R 0402" 62.875,71.6 r0 bottom
R254 "R0402" "R 0402" 310.896,313.436 r90 top
R255 "R0402" "R 0402" 303.53,313.436 r90 top
R256 "R0402" "R 0402" 60.5,82.1 r90 bottom
R257 "R0402" "R 0402" 310.388,204.597 r90 top
R258 "R0402" "R 0402" 749.046,313.436 r90 top
R259 "R0402" "R 0402" 164.4,50.7 r0 bottom
R260 "R0402" "R 0402" 134.9,38.3 r90 bottom
R261 "R0402" "R 0402" 133.7,40.4 r90 bottom
R262 "R0402" "R 0402" 130.1,38.325 r270 bottom
R263 "R0402" "R 0402" 130.1,40.4 r270 bottom
R264 "R0402" "R 0402" 130.1,44.6 r90 bottom
R265 "R0402" "R 0402" 131.3,40.4 r270 bottom
R266 "R0402" "R 0402" 130.1,42.5 r270 bottom
R267 "R0402" "R 0402" 132.5,38.3 r90 bottom
R268 "R0402" "R 0402" 56.2,34.3 r0 bottom
R269 "R0402" "R 0402" 54.175,34.3 r180 bottom
R270 "R0402" "R 0402" 52.1,34.3 r0 bottom
R271 "R0402" "R 0402" 735.838,204.597 r90 top
R272 "R0402" "R 0402" 703.326,204.597 r90 top
R273 "R0402" "R 0402" 674.116,204.597 r90 top
R274 "R0402" "R 0402" 642.366,204.597 r90 top
R275 "R0402" "R 0402" 660.908,204.597 r90 top
R276 "R0402" "R 0402" 634.873,204.597 r90 top
R277 "R0402" "R 0402" 487.807,204.597 r90 top
R278 "R0402" "R 0402" 411.099,204.597 r90 top
R279 "R0402" "R 0402" 164.4,51.8 r0 bottom
R280 "R0402" "R 0402" 507.492,145.161 r90 top
R281 "R0402" "R 0402" 500.634,145.161 r90 top
R282 "R0805" "R 0805" 592.074,145.161 r90 top
R283 "R0805" "R 0805" 570.992,145.161 r90 top
R284 "R0402" "R 0402" 138.1,114.8 r270 bottom
R285 "R0402" "R 0402" 352.806,91.059 r90 top
R286 "R0402" "R 0402" 360.172,91.059 r90 top
R287 "R0603" "R 0603" 179.9,109.5 r90 top
R288 "R0603" "R 0603" 178.4,109.5 r90 top
R289 "R0603" "R 0603" 184,109.5 r90 top
R290 "R0603" "R 0603" 185.5,109.5 r90 top
R291 "R0402" "R 0402" 32.899,86.631 r0 top
R292 "R0402" "R 0402" 492.76,313.436 r90 top
R293 "R0402" "R 0402" 574.4,51.825 r90 top
R294 "R0603" "R 0603" 562.2,50.375 r90 top
R295 "R0402" "R 0402" 910.6,101.075 r90 top
R296 "R0402" "R 0402" 900.7,100.7 r90 top
R297 "R0402" "R 0402" 173,37.8 r90 bottom
R298 "R0402" "R 0402" 661.162,243.459 r90 top
R299 "R0402" "R 0402" 647.954,243.459 r90 top
R300 "R0402" "R 0402" 628.904,243.459 r90 top
R301 "R0402" "R 0402" 616.204,243.459 r90 top
R302 "R0402" "R 0402" 608.838,243.459 r90 top
R303 "R0402" "R 0402" 601.472,243.459 r90 top
R304 "R0402" "R 0402" 396.748,227.711 r90 top
R305 "R0402" "R 0402" 375.539,227.711 r90 top
R306 "R0402" "R 0402" 351.155,227.711 r90 top
R307 "R0402" "R 0402" 368.173,227.711 r90 top